# KiCad board first_keyboard.kicad_pcb (continued)
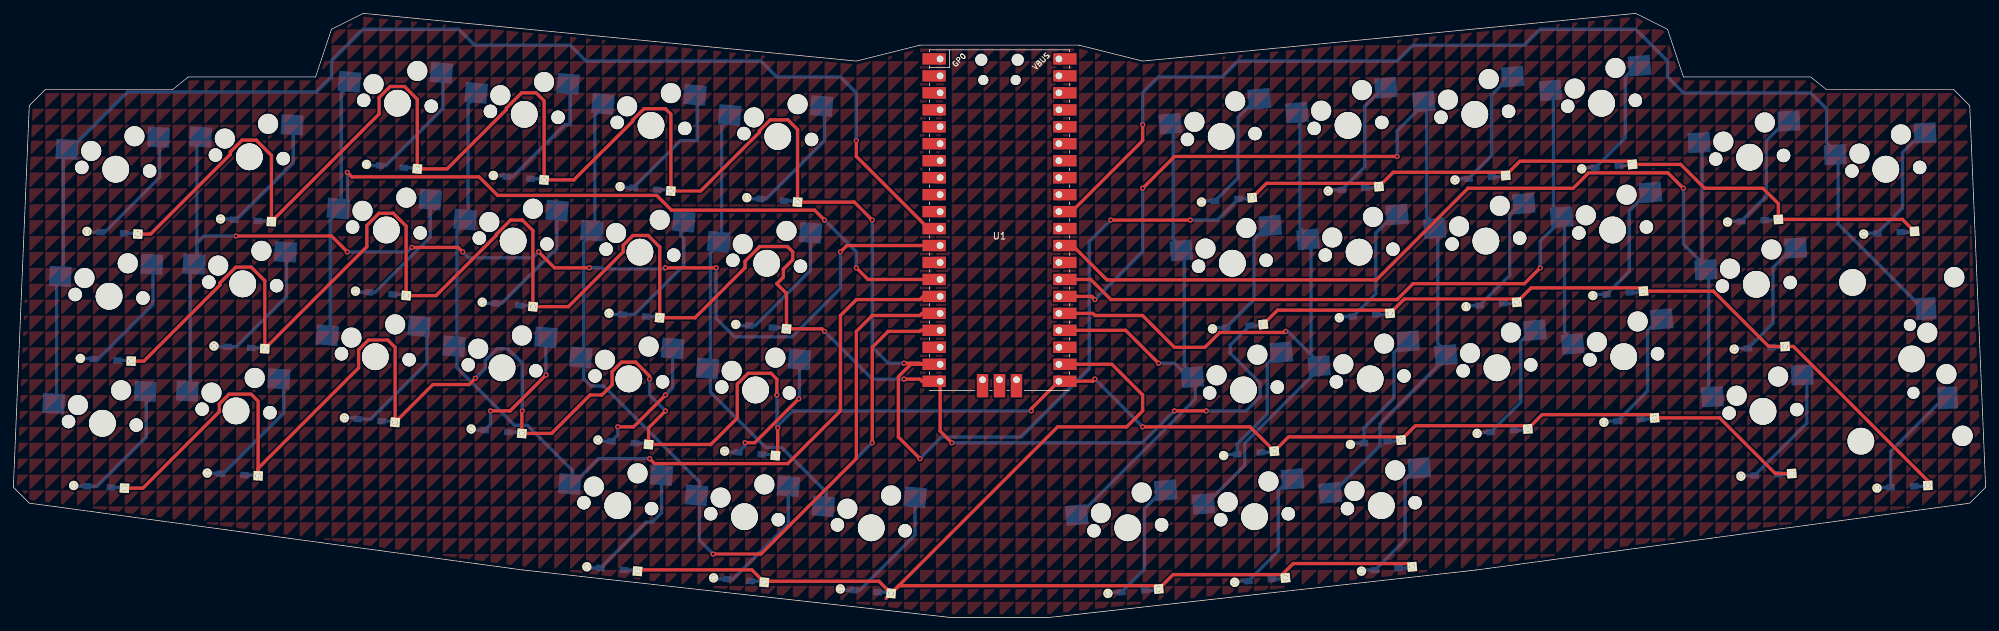
[diagram p0: board, top side]
## Copper pours and planes (outline as drawn; the poured copper is in the pictures) (continued)
(no net) on Top, Bottom: 264.32,-30.96 264.32,-33.34 266.7,-30.96
(no net) on Top, Bottom: 130.97,-38.1 130.97,-40.48 133.35,-38.1
(no net) on Top, Bottom: 230.98,47.62 230.98,45.24 233.36,47.62
(no net) on Top, Bottom: 178.59,45.24 178.59,42.86 180.98,45.24
(no net) on Top, Bottom: 38.1,59.53 38.1,57.15 40.48,59.53
(no net) on Top, Bottom: 119.06,2.38 119.06,0 121.44,2.38
(no net) on Top, Bottom: 111.92,92.87 111.92,90.49 114.3,92.87
(no net) on Top, Bottom: 171.45,-16.67 171.45,-19.05 173.83,-16.67
(no net) on Top, Bottom: 21.43,83.34 21.43,80.96 23.81,83.34
(no net) on Top, Bottom: 4.76,4.76 4.76,2.38 7.14,4.76
(no net) on Top, Bottom: 180.98,130.97 180.98,128.59 183.36,130.97
(no net) on Top, Bottom: 33.34,-26.19 33.34,-28.57 35.72,-26.19
(no net) on Top, Bottom: 192.88,123.83 192.88,121.44 195.26,123.83
(no net) on Top, Bottom: 30.96,107.16 30.96,104.78 33.34,107.16
(no net) on Top, Bottom: 280.99,16.67 280.99,14.29 283.37,16.67
(no net) on Top, Bottom: 230.98,50.01 230.98,47.62 233.36,50.01
(no net) on Top, Bottom: 73.82,85.72 73.82,83.34 76.2,85.72
(no net) on Top, Bottom: 152.4,50.01 152.4,47.62 154.78,50.01
(no net) on Top, Bottom: 40.48,128.59 40.48,126.21 42.86,128.59
(no net) on Top, Bottom: 192.88,76.2 192.88,73.82 195.26,76.2
(no net) on Top, Bottom: 50.01,114.3 50.01,111.92 52.39,114.3
(no net) on Top, Bottom: 80.96,4.76 80.96,2.38 83.34,4.76
(no net) on Top, Bottom: 7.14,69.06 7.14,66.68 9.53,69.06
(no net) on Top, Bottom: 216.69,52.39 216.69,50.01 219.07,52.39
(no net) on Top, Bottom: 211.93,11.91 211.93,9.53 214.31,11.91
(no net) on Top, Bottom: 283.37,2.38 283.37,0 285.75,2.38
(no net) on Top, Bottom: 178.59,142.88 178.59,140.49 180.98,142.88
(no net) on Top, Bottom: 157.16,135.73 157.16,133.35 159.54,135.73
(no net) on Top, Bottom: 238.12,61.91 238.12,59.53 240.51,61.91
(no net) on Top, Bottom: 276.22,21.43 276.22,19.05 278.61,21.43
(no net) on Top, Bottom: 92.87,30.96 92.87,28.57 95.25,30.96
(no net) on Top, Bottom: 164.31,73.82 164.31,71.44 166.69,73.82
(no net) on Top, Bottom: 195.26,69.06 195.26,66.68 197.64,69.06
(no net) on Top, Bottom: 45.24,-26.19 45.24,-28.57 47.62,-26.19
(no net) on Top, Bottom: 54.77,30.96 54.77,28.57 57.15,30.96
(no net) on Top, Bottom: 235.74,61.91 235.74,59.53 238.12,61.91
(no net) on Top, Bottom: 245.27,-38.1 245.27,-40.48 247.65,-38.1
(no net) on Top, Bottom: 176.21,133.35 176.21,130.97 178.59,133.35
(no net) on Top, Bottom: 161.93,40.48 161.93,38.1 164.31,40.48
(no net) on Top, Bottom: 247.65,76.2 247.65,73.82 250.03,76.2
(no net) on Top, Bottom: 23.81,73.82 23.81,71.44 26.19,73.82
(no net) on Top, Bottom: 147.64,64.29 147.64,61.91 150.02,64.29
(no net) on Top, Bottom: 211.93,-2.38 211.93,-4.76 214.31,-2.38
(no net) on Top, Bottom: 190.5,114.3 190.5,111.92 192.88,114.3
(no net) on Top, Bottom: 290.51,130.97 290.51,128.59 292.89,130.97
(no net) on Top, Bottom: 152.4,128.59 152.4,126.21 154.78,128.59
(no net) on Top, Bottom: 166.69,138.11 166.69,135.73 169.07,138.11
(no net) on Top, Bottom: 223.84,23.81 223.84,21.43 226.22,23.81
(no net) on Top, Bottom: 130.97,-35.72 130.97,-38.1 133.35,-35.72
(no net) on Top, Bottom: 290.51,-30.96 290.51,-33.34 292.89,-30.96
(no net) on Top, Bottom: 47.62,40.48 47.62,38.1 50.01,40.48
(no net) on Top, Bottom: 216.69,107.16 216.69,104.78 219.07,107.16
(no net) on Top, Bottom: 159.54,-11.91 159.54,-14.29 161.93,-11.91
(no net) on Top, Bottom: 76.2,92.87 76.2,90.49 78.58,92.87
(no net) on Top, Bottom: 80.96,64.29 80.96,61.91 83.34,64.29
(no net) on Top, Bottom: 171.45,21.43 171.45,19.05 173.83,21.43
(no net) on Top, Bottom: 97.63,76.2 97.63,73.82 100.01,76.2
(no net) on Top, Bottom: 138.11,35.72 138.11,33.34 140.49,35.72
(no net) on Top, Bottom: 285.75,83.34 285.75,80.96 288.13,83.34
(no net) on Top, Bottom: 71.44,33.34 71.44,30.96 73.82,33.34
(no net) on Top, Bottom: 102.39,-23.81 102.39,-26.19 104.77,-23.81
(no net) on Top, Bottom: 288.13,47.62 288.13,45.24 290.51,47.62
(no net) on Top, Bottom: 128.59,95.25 128.59,92.87 130.97,95.25
(no net) on Top, Bottom: 290.51,-28.57 290.51,-30.96 292.89,-28.57
(no net) on Top, Bottom: 119.06,97.63 119.06,95.25 121.44,97.63
(no net) on Top, Bottom: 200.02,-14.29 200.02,-16.67 202.41,-14.29
(no net) on Top, Bottom: 183.36,0 183.36,-2.38 185.74,0
(no net) on Top, Bottom: 290.51,140.49 290.51,138.11 292.89,140.49
(no net) on Top, Bottom: 126.21,23.81 126.21,21.43 128.59,23.81
(no net) on Top, Bottom: 28.58,57.15 28.58,54.77 30.96,57.15
(no net) on Top, Bottom: 7.14,14.29 7.14,11.91 9.53,14.29
(no net) on Top, Bottom: 16.67,45.24 16.67,42.86 19.05,45.24
(no net) on Top, Bottom: 209.55,-28.57 209.55,-30.96 211.93,-28.57
(no net) on Top, Bottom: 64.29,35.72 64.29,33.34 66.67,35.72
(no net) on Top, Bottom: 204.79,116.68 204.79,114.3 207.17,116.68
(no net) on Top, Bottom: 119.06,92.87 119.06,90.49 121.44,92.87
(no net) on Top, Bottom: 242.89,114.3 242.89,111.92 245.27,114.3
(no net) on Top, Bottom: 66.67,7.14 66.67,4.76 69.06,7.14
(no net) on Top, Bottom: 207.17,61.91 207.17,59.53 209.55,61.91
(no net) on Top, Bottom: 192.88,35.72 192.88,33.34 195.26,35.72
(no net) on Top, Bottom: 97.63,102.39 97.63,100.01 100.01,102.39
(no net) on Top, Bottom: 140.49,4.76 140.49,2.38 142.88,4.76
(no net) on Top, Bottom: 57.15,64.29 57.15,61.91 59.53,64.29
(no net) on Top, Bottom: 219.07,-11.91 219.07,-14.29 221.46,-11.91
(no net) on Top, Bottom: 133.35,85.72 133.35,83.34 135.73,85.72
(no net) on Top, Bottom: 107.16,9.53 107.16,7.14 109.54,9.53
(no net) on Top, Bottom: 59.53,2.38 59.53,0 61.91,2.38
(no net) on Top, Bottom: 169.07,0 169.07,-2.38 171.45,0
(no net) on Top, Bottom: 128.59,9.53 128.59,7.14 130.97,9.53
(no net) on Top, Bottom: 254.79,80.96 254.79,78.58 257.18,80.96
(no net) on Top, Bottom: 126.21,145.26 126.21,142.88 128.59,145.26
(no net) on Top, Bottom: 295.27,2.38 295.27,0 297.66,2.38
(no net) on Top, Bottom: 11.91,54.77 11.91,52.39 14.29,54.77
(no net) on Top, Bottom: 104.77,138.11 104.77,135.73 107.16,138.11
(no net) on Top, Bottom: 288.13,78.58 288.13,76.2 290.51,78.58
(no net) on Top, Bottom: 273.84,107.16 273.84,104.78 276.22,107.16
(no net) on Top, Bottom: 261.94,97.63 261.94,95.25 264.32,97.63
(no net) on Top, Bottom: 119.06,-26.19 119.06,-28.57 121.44,-26.19
(no net) on Top, Bottom: 150.02,50.01 150.02,47.62 152.4,50.01
(no net) on Top, Bottom: 145.26,35.72 145.26,33.34 147.64,35.72
(no net) on Top, Bottom: 64.29,52.39 64.29,50.01 66.67,52.39
(no net) on Top, Bottom: 147.64,114.3 147.64,111.92 150.02,114.3
(no net) on Top, Bottom: 2.38,-21.43 2.38,-23.81 4.76,-21.43
(no net) on Top, Bottom: 133.35,123.83 133.35,121.44 135.73,123.83
(no net) on Top, Bottom: 254.79,26.19 254.79,23.81 257.18,26.19
(no net) on Top, Bottom: 242.89,88.11 242.89,85.72 245.27,88.11
(no net) on Top, Bottom: 66.67,71.44 66.67,69.06 69.06,71.44
(no net) on Top, Bottom: 16.67,85.72 16.67,83.34 19.05,85.72
(no net) on Top, Bottom: 57.15,-7.14 57.15,-9.53 59.53,-7.14
(no net) on Top, Bottom: 159.54,50.01 159.54,47.62 161.93,50.01
(no net) on Top, Bottom: 173.83,38.1 173.83,35.72 176.21,38.1
(no net) on Top, Bottom: 116.68,90.49 116.68,88.11 119.06,90.49
(no net) on Top, Bottom: 240.51,95.25 240.51,92.87 242.89,95.25
(no net) on Top, Bottom: 157.16,83.34 157.16,80.96 159.54,83.34
(no net) on Top, Bottom: 238.12,-2.38 238.12,-4.76 240.51,-2.38
(no net) on Top, Bottom: 261.94,130.97 261.94,128.59 264.32,130.97
(no net) on Top, Bottom: 180.98,21.43 180.98,19.05 183.36,21.43
(no net) on Top, Bottom: 269.08,40.48 269.08,38.1 271.46,40.48
(no net) on Top, Bottom: 100.01,69.06 100.01,66.68 102.39,69.06
(no net) on Top, Bottom: 271.46,109.54 271.46,107.16 273.84,109.54
(no net) on Top, Bottom: 171.45,-21.43 171.45,-23.81 173.83,-21.43
(no net) on Top, Bottom: 64.29,61.91 64.29,59.53 66.67,61.91
(no net) on Top, Bottom: 33.34,45.24 33.34,42.86 35.72,45.24
(no net) on Top, Bottom: 38.1,-19.05 38.1,-21.43 40.48,-19.05
(no net) on Top, Bottom: 121.44,-38.1 121.44,-40.48 123.83,-38.1
(no net) on Top, Bottom: 85.73,85.72 85.73,83.34 88.11,85.72
(no net) on Top, Bottom: 221.46,59.53 221.46,57.15 223.84,59.53
(no net) on Top, Bottom: 176.21,-28.57 176.21,-30.96 178.59,-28.57
(no net) on Top, Bottom: 121.44,45.24 121.44,42.86 123.83,45.24
(no net) on Top, Bottom: 285.75,57.15 285.75,54.77 288.13,57.15
(no net) on Top, Bottom: 233.36,66.68 233.36,64.29 235.74,66.68
(no net) on Top, Bottom: 259.56,35.72 259.56,33.34 261.94,35.72
(no net) on Top, Bottom: 261.94,14.29 261.94,11.91 264.32,14.29
(no net) on Top, Bottom: 90.49,-33.34 90.49,-35.72 92.87,-33.34
(no net) on Top, Bottom: 23.81,83.34 23.81,80.96 26.19,83.34
(no net) on Top, Bottom: 69.06,64.29 69.06,61.91 71.44,64.29
(no net) on Top, Bottom: 90.49,-14.29 90.49,-16.67 92.87,-14.29
(no net) on Top, Bottom: 83.34,45.24 83.34,42.86 85.73,45.24
(no net) on Top, Bottom: 95.25,2.38 95.25,0 97.63,2.38
(no net) on Top, Bottom: 278.61,50.01 278.61,47.62 280.99,50.01
(no net) on Top, Bottom: 102.39,90.49 102.39,88.11 104.77,90.49
(no net) on Top, Bottom: 176.21,61.91 176.21,59.53 178.59,61.91
(no net) on Top, Bottom: 83.34,16.67 83.34,14.29 85.73,16.67
(no net) on Top, Bottom: 264.32,42.86 264.32,40.48 266.7,42.86
(no net) on Top, Bottom: 111.92,28.57 111.92,26.19 114.3,28.57
(no net) on Top, Bottom: 278.61,64.29 278.61,61.91 280.99,64.29
(no net) on Top, Bottom: 159.54,-4.76 159.54,-7.14 161.93,-4.76
(no net) on Top, Bottom: 23.81,-38.1 23.81,-40.48 26.19,-38.1
(no net) on Top, Bottom: 176.21,-11.91 176.21,-14.29 178.59,-11.91
(no net) on Top, Bottom: 45.24,119.06 45.24,116.68 47.62,119.06
(no net) on Top, Bottom: 252.41,-30.96 252.41,-33.34 254.79,-30.96
(no net) on Top, Bottom: 4.76,26.19 4.76,23.81 7.14,26.19
(no net) on Top, Bottom: 38.1,28.57 38.1,26.19 40.48,28.57
(no net) on Top, Bottom: 26.19,45.24 26.19,42.86 28.58,45.24
(no net) on Top, Bottom: 300.04,-4.76 300.04,-7.14 302.42,-4.76
(no net) on Top, Bottom: 28.58,23.81 28.58,21.43 30.96,23.81
(no net) on Top, Bottom: 188.12,128.59 188.12,126.21 190.5,128.59
(no net) on Top, Bottom: 88.11,142.88 88.11,140.49 90.49,142.88
(no net) on Top, Bottom: 97.63,-19.05 97.63,-21.43 100.01,-19.05
(no net) on Top, Bottom: 88.11,42.86 88.11,40.48 90.49,42.86
(no net) on Top, Bottom: 123.83,-9.53 123.83,-11.91 126.21,-9.53
(no net) on Top, Bottom: 223.84,26.19 223.84,23.81 226.22,26.19
(no net) on Top, Bottom: 195.26,35.72 195.26,33.34 197.64,35.72
(no net) on Top, Bottom: 176.21,38.1 176.21,35.72 178.59,38.1
(no net) on Top, Bottom: 228.6,23.81 228.6,21.43 230.98,23.81
(no net) on Top, Bottom: 114.3,45.24 114.3,42.86 116.68,45.24
(no net) on Top, Bottom: 50.01,138.11 50.01,135.73 52.39,138.11
(no net) on Top, Bottom: 161.93,123.83 161.93,121.44 164.31,123.83
(no net) on Top, Bottom: 35.72,64.29 35.72,61.91 38.1,64.29
(no net) on Top, Bottom: 178.59,97.63 178.59,95.25 180.98,97.63
(no net) on Top, Bottom: 116.68,147.64 116.68,145.26 119.06,147.64
(no net) on Top, Bottom: 235.74,73.82 235.74,71.44 238.12,73.82
(no net) on Top, Bottom: 209.55,123.83 209.55,121.44 211.93,123.83
(no net) on Top, Bottom: 245.27,80.96 245.27,78.58 247.65,80.96
(no net) on Top, Bottom: 64.29,80.96 64.29,78.58 66.67,80.96
(no net) on Top, Bottom: 295.27,80.96 295.27,78.58 297.66,80.96
(no net) on Top, Bottom: 221.46,142.88 221.46,140.49 223.84,142.88
(no net) on Top, Bottom: 88.11,-4.76 88.11,-7.14 90.49,-4.76
(no net) on Top, Bottom: 185.74,116.68 185.74,114.3 188.12,116.68
(no net) on Top, Bottom: 138.11,80.96 138.11,78.58 140.49,80.96
(no net) on Top, Bottom: 238.12,-16.67 238.12,-19.05 240.51,-16.67
(no net) on Top, Bottom: 169.07,-26.19 169.07,-28.57 171.45,-26.19
(no net) on Top, Bottom: 192.88,-2.38 192.88,-4.76 195.26,-2.38
(no net) on Top, Bottom: 209.55,38.1 209.55,35.72 211.93,38.1
(no net) on Top, Bottom: 297.66,-23.81 297.66,-26.19 300.04,-23.81
(no net) on Top, Bottom: 247.65,-35.72 247.65,-38.1 250.03,-35.72
(no net) on Top, Bottom: 2.38,40.48 2.38,38.1 4.76,40.48
(no net) on Top, Bottom: 2.38,90.49 2.38,88.11 4.76,90.49
(no net) on Top, Bottom: 214.31,69.06 214.31,66.68 216.69,69.06
(no net) on Top, Bottom: 26.19,50.01 26.19,47.62 28.58,50.01
(no net) on Top, Bottom: 161.93,140.49 161.93,138.11 164.31,140.49
(no net) on Top, Bottom: 173.83,14.29 173.83,11.91 176.21,14.29
(no net) on Top, Bottom: 28.58,83.34 28.58,80.96 30.96,83.34
(no net) on Top, Bottom: 292.89,21.43 292.89,19.05 295.27,21.43
(no net) on Top, Bottom: 273.84,2.38 273.84,0 276.22,2.38
(no net) on Top, Bottom: 283.37,-38.1 283.37,-40.48 285.75,-38.1
(no net) on Top, Bottom: 0,28.57 0,26.19 2.38,28.57
(no net) on Top, Bottom: 295.27,76.2 295.27,73.82 297.66,76.2
(no net) on Top, Bottom: 266.7,50.01 266.7,47.62 269.08,50.01
(no net) on Top, Bottom: 223.84,16.67 223.84,14.29 226.22,16.67
(no net) on Top, Bottom: 107.16,-4.76 107.16,-7.14 109.54,-4.76
(no net) on Top, Bottom: 226.22,30.96 226.22,28.57 228.6,30.96
(no net) on Top, Bottom: 278.61,116.68 278.61,114.3 280.99,116.68
(no net) on Top, Bottom: 50.01,-16.67 50.01,-19.05 52.39,-16.67
(no net) on Top, Bottom: 207.17,78.58 207.17,76.2 209.55,78.58
(no net) on Top, Bottom: 257.18,4.76 257.18,2.38 259.56,4.76
(no net) on Top, Bottom: 40.48,123.83 40.48,121.44 42.86,123.83
(no net) on Top, Bottom: 259.56,128.59 259.56,126.21 261.94,128.59
(no net) on Top, Bottom: 128.59,78.58 128.59,76.2 130.97,78.58
(no net) on Top, Bottom: 285.75,28.57 285.75,26.19 288.13,28.57
(no net) on Top, Bottom: 45.24,-9.53 45.24,-11.91 47.62,-9.53
(no net) on Top, Bottom: 109.54,-7.14 109.54,-9.53 111.92,-7.14
(no net) on Top, Bottom: 169.07,-28.57 169.07,-30.96 171.45,-28.57
(no net) on Top, Bottom: 107.16,0 107.16,-2.38 109.54,0
(no net) on Top, Bottom: 7.14,-23.81 7.14,-26.19 9.53,-23.81
(no net) on Top, Bottom: 300.04,54.77 300.04,52.39 302.42,54.77
(no net) on Top, Bottom: 95.25,-26.19 95.25,-28.57 97.63,-26.19
(no net) on Top, Bottom: 104.77,104.78 104.77,102.39 107.16,104.78
(no net) on Top, Bottom: 226.22,83.34 226.22,80.96 228.6,83.34
(no net) on Top, Bottom: 7.14,92.87 7.14,90.49 9.53,92.87
(no net) on Top, Bottom: 278.61,119.06 278.61,116.68 280.99,119.06
(no net) on Top, Bottom: 247.65,-23.81 247.65,-26.19 250.03,-23.81
(no net) on Top, Bottom: 183.36,-26.19 183.36,-28.57 185.74,-26.19
(no net) on Top, Bottom: 207.17,128.59 207.17,126.21 209.55,128.59
(no net) on Top, Bottom: 214.31,73.82 214.31,71.44 216.69,73.82
(no net) on Top, Bottom: 52.39,-33.34 52.39,-35.72 54.77,-33.34
(no net) on Top, Bottom: 152.4,78.58 152.4,76.2 154.78,78.58
(no net) on Top, Bottom: 90.49,59.53 90.49,57.15 92.87,59.53
(no net) on Top, Bottom: 219.07,142.88 219.07,140.49 221.46,142.88
(no net) on Top, Bottom: 240.51,145.26 240.51,142.88 242.89,145.26
(no net) on Top, Bottom: 252.41,104.78 252.41,102.39 254.79,104.78
(no net) on Top, Bottom: 271.46,90.49 271.46,88.11 273.84,90.49
(no net) on Top, Bottom: 204.79,-26.19 204.79,-28.57 207.17,-26.19
(no net) on Top, Bottom: 219.07,114.3 219.07,111.92 221.46,114.3
(no net) on Top, Bottom: 147.64,50.01 147.64,47.62 150.02,50.01
(no net) on Top, Bottom: 273.84,102.39 273.84,100.01 276.22,102.39
(no net) on Top, Bottom: 111.92,21.43 111.92,19.05 114.3,21.43
(no net) on Top, Bottom: 159.54,133.35 159.54,130.97 161.93,133.35
(no net) on Top, Bottom: 142.88,76.2 142.88,73.82 145.26,76.2
(no net) on Top, Bottom: 192.88,69.06 192.88,66.68 195.26,69.06
(no net) on Top, Bottom: 76.2,76.2 76.2,73.82 78.58,76.2
(no net) on Top, Bottom: 302.42,80.96 302.42,78.58 304.8,80.96
(no net) on Top, Bottom: 128.59,54.77 128.59,52.39 130.97,54.77
(no net) on Top, Bottom: 52.39,102.39 52.39,100.01 54.77,102.39
(no net) on Top, Bottom: 195.26,54.77 195.26,52.39 197.64,54.77
(no net) on Top, Bottom: 92.87,133.35 92.87,130.97 95.25,133.35
(no net) on Top, Bottom: 59.53,73.82 59.53,71.44 61.91,73.82
(no net) on Top, Bottom: 0,97.63 0,95.25 2.38,97.63
(no net) on Top, Bottom: 52.39,76.2 52.39,73.82 54.77,76.2
(no net) on Top, Bottom: 271.46,-23.81 271.46,-26.19 273.84,-23.81
(no net) on Top, Bottom: 230.98,-21.43 230.98,-23.81 233.36,-21.43
(no net) on Top, Bottom: 207.17,-30.96 207.17,-33.34 209.55,-30.96
(no net) on Top, Bottom: 140.49,61.91 140.49,59.53 142.88,61.91
(no net) on Top, Bottom: 295.27,-28.57 295.27,-30.96 297.66,-28.57
(no net) on Top, Bottom: 154.78,19.05 154.78,16.67 157.16,19.05
(no net) on Top, Bottom: 30.96,11.91 30.96,9.53 33.34,11.91
(no net) on Top, Bottom: 235.74,-26.19 235.74,-28.57 238.12,-26.19
(no net) on Top, Bottom: 252.41,107.16 252.41,104.78 254.79,107.16
(no net) on Top, Bottom: 4.76,100.01 4.76,97.63 7.14,100.01
(no net) on Top, Bottom: 276.22,107.16 276.22,104.78 278.61,107.16
(no net) on Top, Bottom: 176.21,73.82 176.21,71.44 178.59,73.82
(no net) on Top, Bottom: 297.66,80.96 297.66,78.58 300.04,80.96
(no net) on Top, Bottom: 85.73,28.57 85.73,26.19 88.11,28.57
(no net) on Top, Bottom: 219.07,-28.57 219.07,-30.96 221.46,-28.57
(no net) on Top, Bottom: 273.84,92.87 273.84,90.49 276.22,92.87
(no net) on Top, Bottom: 178.59,35.72 178.59,33.34 180.98,35.72
(no net) on Top, Bottom: 116.68,78.58 116.68,76.2 119.06,78.58
(no net) on Top, Bottom: 273.84,-30.96 273.84,-33.34 276.22,-30.96
(no net) on Top, Bottom: 240.51,30.96 240.51,28.57 242.89,30.96
(no net) on Top, Bottom: 211.93,-35.72 211.93,-38.1 214.31,-35.72
(no net) on Top, Bottom: 190.5,16.67 190.5,14.29 192.88,16.67
(no net) on Top, Bottom: 290.51,-26.19 290.51,-28.57 292.89,-26.19
(no net) on Top, Bottom: 209.55,21.43 209.55,19.05 211.93,21.43
(no net) on Top, Bottom: 140.49,47.62 140.49,45.24 142.88,47.62
(no net) on Top, Bottom: 164.31,64.29 164.31,61.91 166.69,64.29
(no net) on Top, Bottom: 288.13,73.82 288.13,71.44 290.51,73.82
(no net) on Top, Bottom: 45.24,-19.05 45.24,-21.43 47.62,-19.05
(no net) on Top, Bottom: 216.69,109.54 216.69,107.16 219.07,109.54
(no net) on Top, Bottom: 150.02,73.82 150.02,71.44 152.4,73.82
(no net) on Top, Bottom: 228.6,59.53 228.6,57.15 230.98,59.53
(no net) on Top, Bottom: 269.08,97.63 269.08,95.25 271.46,97.63
(no net) on Top, Bottom: 80.96,14.29 80.96,11.91 83.34,14.29
(no net) on Top, Bottom: 200.02,130.97 200.02,128.59 202.41,130.97
(no net) on Top, Bottom: 233.36,-14.29 233.36,-16.67 235.74,-14.29
(no net) on Top, Bottom: 252.41,14.29 252.41,11.91 254.79,14.29
(no net) on Top, Bottom: 33.34,40.48 33.34,38.1 35.72,40.48
(no net) on Top, Bottom: 202.41,78.58 202.41,76.2 204.79,78.58
(no net) on Top, Bottom: 250.03,-2.38 250.03,-4.76 252.41,-2.38
(no net) on Top, Bottom: 130.97,4.76 130.97,2.38 133.35,4.76
(no net) on Top, Bottom: 273.84,109.54 273.84,107.16 276.22,109.54
(no net) on Top, Bottom: 123.83,-2.38 123.83,-4.76 126.21,-2.38
(no net) on Top, Bottom: 142.88,116.68 142.88,114.3 145.26,116.68
(no net) on Top, Bottom: 85.73,92.87 85.73,90.49 88.11,92.87
(no net) on Top, Bottom: 0,0 0,-2.38 2.38,0
(no net) on Top, Bottom: 4.76,88.11 4.76,85.72 7.14,88.11
(no net) on Top, Bottom: 188.12,-16.67 188.12,-19.05 190.5,-16.67
(no net) on Top, Bottom: 200.02,28.57 200.02,26.19 202.41,28.57
(no net) on Top, Bottom: 304.8,40.48 304.8,38.1 307.18,40.48
(no net) on Top, Bottom: 104.77,121.44 104.77,119.06 107.16,121.44
(no net) on Top, Bottom: 159.54,-26.19 159.54,-28.57 161.93,-26.19
(no net) on Top, Bottom: 211.93,71.44 211.93,69.06 214.31,71.44
(no net) on Top, Bottom: 211.93,-23.81 211.93,-26.19 214.31,-23.81
(no net) on Top, Bottom: 226.22,-7.14 226.22,-9.53 228.6,-7.14
(no net) on Top, Bottom: 7.14,11.91 7.14,9.53 9.53,11.91
(no net) on Top, Bottom: 33.34,-28.57 33.34,-30.96 35.72,-28.57
(no net) on Top, Bottom: 290.51,35.72 290.51,33.34 292.89,35.72
(no net) on Top, Bottom: 111.92,102.39 111.92,100.01 114.3,102.39
(no net) on Top, Bottom: 85.73,38.1 85.73,35.72 88.11,38.1
(no net) on Top, Bottom: 190.5,100.01 190.5,97.63 192.88,100.01
(no net) on Top, Bottom: 23.81,100.01 23.81,97.63 26.19,100.01
(no net) on Top, Bottom: 33.34,-30.96 33.34,-33.34 35.72,-30.96
(no net) on Top, Bottom: 264.32,23.81 264.32,21.43 266.7,23.81
(no net) on Top, Bottom: 276.22,92.87 276.22,90.49 278.61,92.87
(no net) on Top, Bottom: 216.69,133.35 216.69,130.97 219.07,133.35
(no net) on Top, Bottom: 166.69,59.53 166.69,57.15 169.07,59.53
(no net) on Top, Bottom: 233.36,57.15 233.36,54.77 235.74,57.15
(no net) on Top, Bottom: 207.17,-7.14 207.17,-9.53 209.55,-7.14
(no net) on Top, Bottom: 252.41,61.91 252.41,59.53 254.79,61.91
(no net) on Top, Bottom: 188.12,-9.53 188.12,-11.91 190.5,-9.53
(no net) on Top, Bottom: 128.59,28.57 128.59,26.19 130.97,28.57
(no net) on Top, Bottom: 147.64,116.68 147.64,114.3 150.02,116.68
(no net) on Top, Bottom: 185.74,107.16 185.74,104.78 188.12,107.16
(no net) on Top, Bottom: 195.26,19.05 195.26,16.67 197.64,19.05
(no net) on Top, Bottom: 38.1,73.82 38.1,71.44 40.48,73.82
(no net) on Top, Bottom: 240.51,40.48 240.51,38.1 242.89,40.48
(no net) on Top, Bottom: 121.44,90.49 121.44,88.11 123.83,90.49
(no net) on Top, Bottom: 257.18,45.24 257.18,42.86 259.56,45.24
(no net) on Top, Bottom: 261.94,-14.29 261.94,-16.67 264.32,-14.29
(no net) on Top, Bottom: 135.73,21.43 135.73,19.05 138.11,21.43
(no net) on Top, Bottom: 285.75,88.11 285.75,85.72 288.13,88.11
(no net) on Top, Bottom: 230.98,59.53 230.98,57.15 233.36,59.53
(no net) on Top, Bottom: 121.44,66.68 121.44,64.29 123.83,66.68
(no net) on Top, Bottom: 192.88,-33.34 192.88,-35.72 195.26,-33.34
(no net) on Top, Bottom: 97.63,119.06 97.63,116.68 100.01,119.06
(no net) on Top, Bottom: 273.84,71.44 273.84,69.06 276.22,71.44
(no net) on Top, Bottom: 223.84,57.15 223.84,54.77 226.22,57.15
(no net) on Top, Bottom: 47.62,21.43 47.62,19.05 50.01,21.43
(no net) on Top, Bottom: 100.01,135.73 100.01,133.35 102.39,135.73
(no net) on Top, Bottom: 135.73,47.62 135.73,45.24 138.11,47.62
(no net) on Top, Bottom: 57.15,45.24 57.15,42.86 59.53,45.24
(no net) on Top, Bottom: 26.19,64.29 26.19,61.91 28.58,64.29
(no net) on Top, Bottom: 19.05,59.53 19.05,57.15 21.43,59.53
(no net) on Top, Bottom: 23.81,50.01 23.81,47.62 26.19,50.01
(no net) on Top, Bottom: 164.31,-2.38 164.31,-4.76 166.69,-2.38
(no net) on Top, Bottom: 304.8,0 304.8,-2.38 307.18,0
(no net) on Top, Bottom: 159.54,88.11 159.54,85.72 161.93,88.11
(no net) on Top, Bottom: 128.59,114.3 128.59,111.92 130.97,114.3
(no net) on Top, Bottom: 297.66,57.15 297.66,54.77 300.04,57.15
(no net) on Top, Bottom: 88.11,-16.67 88.11,-19.05 90.49,-16.67
(no net) on Top, Bottom: 21.43,30.96 21.43,28.57 23.81,30.96
(no net) on Top, Bottom: 300.04,35.72 300.04,33.34 302.42,35.72
(no net) on Top, Bottom: 250.03,92.87 250.03,90.49 252.41,92.87
(no net) on Top, Bottom: 157.16,121.44 157.16,119.06 159.54,121.44
(no net) on Top, Bottom: 166.69,7.14 166.69,4.76 169.07,7.14
(no net) on Top, Bottom: 90.49,-7.14 90.49,-9.53 92.87,-7.14
(no net) on Top, Bottom: 4.76,-23.81 4.76,-26.19 7.14,-23.81
(no net) on Top, Bottom: 219.07,116.68 219.07,114.3 221.46,116.68
(no net) on Top, Bottom: 54.77,130.97 54.77,128.59 57.15,130.97
(no net) on Top, Bottom: 61.91,-9.53 61.91,-11.91 64.29,-9.53
(no net) on Top, Bottom: 283.37,-23.81 283.37,-26.19 285.75,-23.81
(no net) on Top, Bottom: 211.93,4.76 211.93,2.38 214.31,4.76
(no net) on Top, Bottom: 40.48,138.11 40.48,135.73 42.86,138.11
(no net) on Top, Bottom: 304.8,142.88 304.8,140.49 307.18,142.88
(no net) on Top, Bottom: 216.69,42.86 216.69,40.48 219.07,42.86
(no net) on Top, Bottom: 261.94,123.83 261.94,121.44 264.32,123.83
(no net) on Top, Bottom: 14.29,47.62 14.29,45.24 16.67,47.62
(no net) on Top, Bottom: 252.41,126.21 252.41,123.83 254.79,126.21
(no net) on Top, Bottom: 119.06,-2.38 119.06,-4.76 121.44,-2.38
(no net) on Top, Bottom: 161.93,45.24 161.93,42.86 164.31,45.24
(no net) on Top, Bottom: 135.73,14.29 135.73,11.91 138.11,14.29
(no net) on Top, Bottom: 50.01,28.57 50.01,26.19 52.39,28.57
(no net) on Top, Bottom: 280.99,-14.29 280.99,-16.67 283.37,-14.29
(no net) on Top, Bottom: 154.78,-11.91 154.78,-14.29 157.16,-11.91
(no net) on Top, Bottom: 133.35,19.05 133.35,16.67 135.73,19.05
(no net) on Top, Bottom: 123.83,21.43 123.83,19.05 126.21,21.43
(no net) on Top, Bottom: 290.51,88.11 290.51,85.72 292.89,88.11
(no net) on Top, Bottom: 190.5,107.16 190.5,104.78 192.88,107.16
(no net) on Top, Bottom: 152.4,121.44 152.4,119.06 154.78,121.44
(no net) on Top, Bottom: 273.84,-4.76 273.84,-7.14 276.22,-4.76
(no net) on Top, Bottom: 50.01,52.39 50.01,50.01 52.39,52.39
(no net) on Top, Bottom: 195.26,-9.53 195.26,-11.91 197.64,-9.53
(no net) on Top, Bottom: 0,-33.34 0,-35.72 2.38,-33.34
(no net) on Top, Bottom: 109.54,69.06 109.54,66.68 111.92,69.06
(no net) on Top, Bottom: 271.46,47.62 271.46,45.24 273.84,47.62
(no net) on Top, Bottom: 233.36,-28.57 233.36,-30.96 235.74,-28.57
(no net) on Top, Bottom: 250.03,69.06 250.03,66.68 252.41,69.06
(no net) on Top, Bottom: 195.26,83.34 195.26,80.96 197.64,83.34
(no net) on Top, Bottom: 64.29,92.87 64.29,90.49 66.67,92.87
(no net) on Top, Bottom: 121.44,50.01 121.44,47.62 123.83,50.01
(no net) on Top, Bottom: 147.64,85.72 147.64,83.34 150.02,85.72
(no net) on Top, Bottom: 216.69,100.01 216.69,97.63 219.07,100.01
(no net) on Top, Bottom: 152.4,111.92 152.4,109.54 154.78,111.92